# Allegro board Chronos.brd (continued)
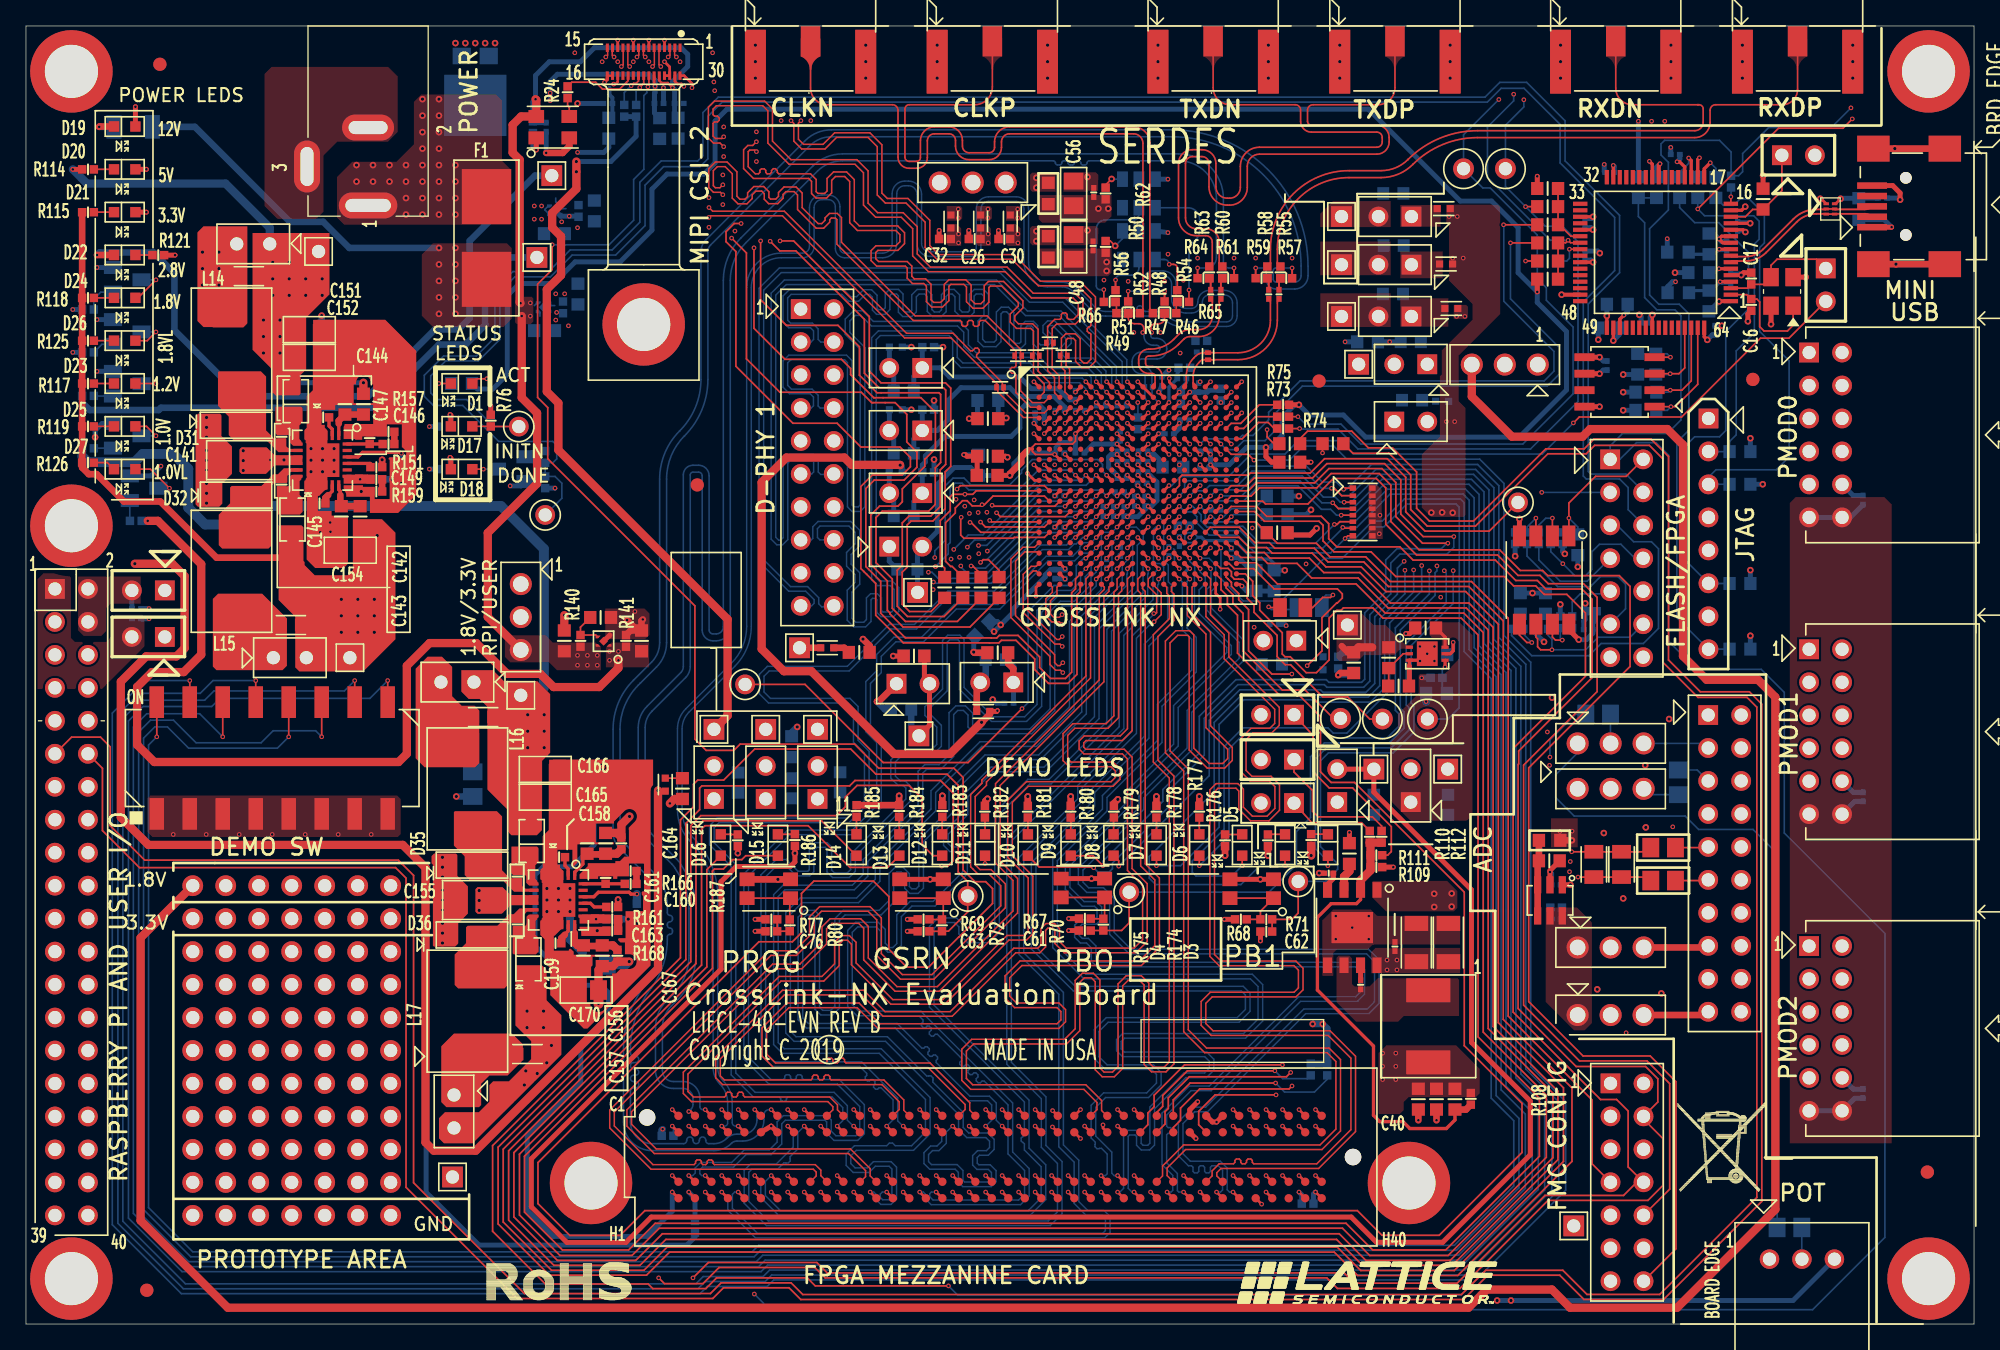
[diagram p0: board, top side]
## Copper pours and planes (outline as drawn; the poured copper is in the pictures) (continued)
VCCIO0 on BOTTOM: 124.64,87.88 124.64,88.93 124.51,89.05 124.51,91.11 125.37,91.97 126.67,91.97 126.67,92.99 126.59,93.07 123.37,93.07 123.04,92.74 123.04,88.11 123.27,87.88
VCCIO0 on L03_PWR: 105.48,71.37 106.7,70.16 106.7,64.6 115.9,55.39 115.9,42.29 116.6,41.59 140.34,41.59 142.88,39.04 148.55,39.04 149.11,39.6 149.11,95.9 145.9,99.11 50.72,99.11 50.72,99.11 44.02,99.11 43.9,99 34.44,99 34.01,98.57 34.01,76.81 30.07,72.87 30.07,62.87 31.08,61.87 41.08,61.87 41.65,62.43 41.65,64.36 41.61,64.4 41.61,76.49 41.27,76.82 38.06,76.82 36.25,78.63 36.25,93.95 37.52,95.22 37.65,95.22 38.62,96.2 43.17,96.2 43.87,96.9 51.84,96.9 54.08,94.67 118.72,94.67 121.59,91.8 134.19,91.8 135.13,90.86 135.13,64.14 133.83,62.84 133.83,57.43 132.97,56.57 126.03,56.57 125.25,57.35 123.22,57.35 123.16,57.3 121,57.3 115.14,63.16 114.03,63.16 111.8,65.39 111.8,69.98 109.09,72.7 109.09,76.64 107.85,77.88 100.72,77.88 97.01,74.17 97.01,71.92 97.55,71.37
VCCIO1 on BOTTOM: 105.71,43.38 105.71,42.21 105.99,41.94 107.26,41.94 108.92,40.28 110.19,40.28 110.46,40.56 110.46,43.59 105.92,43.59
VCCIO1 on L03_PWR: 116.15,88.87 116.66,88.37 116.66,88.19 116.69,88.16 116.69,79.07 115.06,77.44 115.06,71.75 117.27,69.54 123.66,69.54 125.11,70.99 133.22,70.99 134.21,70 134.21,64.41 133.25,63.45 133.25,57.76 132.89,57.4 122.2,57.4 115.9,63.7 114.02,63.7 112.17,65.56 112.17,70.48 109.86,72.8 109.86,75.64 111.43,77.21 111.43,77.94 109.99,79.37 109.99,88.18 110.69,88.87
VCCIO1 on L03_PWR: 90.78,67.16 90.78,65.38 91.36,64.8 97.99,64.8 99.03,63.75 103.71,63.75 108.36,59.11 108.36,46.53 105.77,43.94 105.77,42.16 104.58,40.98 76.84,40.98 74.53,38.67 66.64,38.67 66.09,39.23 66.09,40.56 65.33,41.31 59.57,41.31 58.23,39.97 58.23,36.94 66.51,28.67 94.16,28.67 102.55,37.06 102.92,37.06 103.71,37.85 107.87,37.85 110.44,40.41 112.55,40.41 115.06,42.93 115.06,55.32 106.23,64.16 106.23,67.21 105.64,67.8 91.42,67.8
VCCIO2 on TOP: 103.37,64.7 104.24,64.7 104.47,64.47 104.47,60.48 103.37,60.48
VCCIO2 on BOTTOM: 104.65,43.59 104.65,40.59 104.39,40.34 103.25,40.34 101.75,41.83 100.69,41.83 100.18,42.34 100.18,43.46 100.3,43.59
VCCIO2 on L03_PWR: 90.86,59.33 90.86,63.42 91.74,64.31 97.92,64.31 99.06,63.17 103.72,63.17 107.67,59.22 107.67,46.74 104.88,43.95 104.88,42.04 104.27,41.43 76.53,41.43 74.22,39.12 67.01,39.12 66.68,39.45 66.68,40.98 66.98,41.27 73.34,41.27 74.96,42.89 85.92,42.89 87.86,44.83 100.99,44.83 102.11,45.95 102.11,47.57 105.26,50.72 105.26,55.04 101.55,58.75 91.44,58.75
VCCIO2 on L04_SIG: 125.39,21.53 125.7,21.21 125.7,18.47 124.82,17.58 115.99,17.58 109.01,24.56 101.75,24.56 99.72,22.53 98.59,22.53 98.08,23.04 98.08,24.6 99.7,26.22 99.7,43.69 104.8,43.69 104.8,32.6 104.82,32.59 104.82,31.03 107.94,27.92 110.94,27.92 117.33,21.53
VCCIO2 on L04_SIG: 54.43,37.07 56.28,38.91 62.18,38.91 62.42,39.15 62.42,40.91 62.66,41.15 74.01,41.15 74.35,40.81 74.35,39.57 74.04,39.27 67.89,39.27 62.2,33.58 54.77,33.58 54.43,33.91
VCCIO3 on BOTTOM: 87.81,60.12 89.13,60.12 89.41,59.84 89.41,57.86 89.26,57.71 88.42,57.71 88.21,57.91 88.21,58.52 88.37,58.67 88.37,59.39 88.16,59.59 87.88,59.59 87.81,59.66
VCCIO3 on BOTTOM: 60.12,46.98 60.12,42.37 60.46,42.03 63.3,42.03 63.3,43.38 62,44.68 62,46.98
VCCIO3 on L03_PWR: 81.2,45.44 85.47,49.71 100.58,49.71 102.9,52.02 102.9,54.76 102.62,55.04 95.58,55.04 94.82,55.8 94.82,58.04 95.17,58.39 101.4,58.39 104.85,54.94 104.85,51.31 99.24,45.69 87.66,45.69 85.24,43.28 74.73,43.28 73.16,41.71 60.43,41.71 60.02,42.11 60.02,46.63 65.21,46.63 67.52,44.31 70.65,44.31 71.78,45.44
VCCIO4 on BOTTOM: 56.03,46.98 56.03,41.55 59.51,41.55 59.51,44.22 58.14,44.22 58.14,46.98
VCCIO4 on L03_PWR: 82.27,60.3 84.33,60.3 84.58,60.05 84.58,56.06 80.39,51.87 76.2,51.87 71.32,46.99 60.11,46.99 59.62,46.5 59.62,45.99 59.61,45.97 59.61,42.6 59.18,42.16 53.8,42.16 53.8,44.91 57.15,48.26 63.75,48.26 67.7,52.21 71.23,52.21 74.68,55.65 77.88,55.65 77.9,55.68 79.86,55.68 81.94,57.76 81.94,59.97
VCCIO5 on BOTTOM: 51.84,46.98 51.84,42.62 52.43,42.03 55.37,42.03 55.37,46.98
VCCIO6 on L03_PWR: 79.58,64.11 76.07,64.11 75.62,63.65 75.62,59.61 75.87,59.36 79.2,59.36 79.76,59.92 79.76,63.93
VCCIO7 on TOP: 143.66,13.92 143.66,63.13 143.09,63.7 136.26,63.7 135.81,63.26 135.81,13.92
(no net) on TOP: 16.73,76.78 14.39,76.78 14.37,76.8 13.67,76.8 13.21,77.27 13.21,84.1 13.67,84.56 17.04,84.56 17.04,77.09
(no net) on TOP: 39.45,33.05 37.3,33.05 36.7,33.65 34.76,33.65 34.61,33.5 34.61,31.77 34.77,31.61 36.64,31.61 37.3,32.27 39.44,32.27 39.45,32.28
(no net) on TOP: 39.44,31.55 38.61,31.55 38.53,31.48 38.53,30.76 38.44,30.68 37.52,30.68 37.48,30.64 37.48,28.56 37.56,28.48 39.26,28.48 39.46,28.68 39.46,29.76 39.23,29.99 39.23,31.05 39.46,31.28 39.46,31.53
(no net) on TOP: 34.9,43.21 34.59,42.9 30.69,42.9 30.01,43.58 30.01,50.49 30.93,51.41 32.03,51.41 32.82,50.62 32.82,48.36 33.55,47.62 34.54,47.62 34.9,47.27
(no net) on TOP: 18.97,71.79 19.21,71.54 21.02,71.54 21.14,71.66 21.14,73.11 21.57,73.54 21.57,77.53 23.37,79.32 23.37,84.05 17.45,84.05 17.45,75.06 18.97,73.54
(no net) on TOP: 39.79,33.92 39.79,31.31 39.61,31.13 39.61,29.97 39.94,29.64 39.94,27.86 40.37,27.42 40.37,25.34 42.94,22.77 44.45,22.77 48.29,26.6 48.29,43.48 40.59,43.48 40.26,43.15 40.26,38.05 39.79,37.58 39.79,35.16 39.62,34.99 39.62,34.09 ; 1 cut-out
(no net) on TOP: 21.27,65.44 20.44,65.44 20.36,65.36 20.36,64.65 20.28,64.56 19.35,64.56 19.31,64.52 19.31,62.44 19.39,62.36 21.09,62.36 21.29,62.57 21.29,63.64 21.06,63.87 21.06,64.93 21.29,65.16 21.29,65.41
(no net) on TOP: 37.69,27.64 37.69,23 38.91,21.79 38.91,20.42 37.19,18.69 35.97,18.69 35.69,18.41 35.69,17.14 34.87,16.32 32.26,16.32 31.8,15.86 31.8,14.31 32.2,13.91 34.48,13.91 41.22,20.65 41.22,23.8 40.08,24.94 40.08,27.28 39.72,27.64
(no net) on TOP: 21.28,65.93 19.86,65.93 19.39,65.45 19.02,65.45 18.13,64.56 15.84,64.56 15.72,64.44 15.72,63.22 14.85,62.35 14.85,60.01 15.11,59.74 18.67,59.74 18.89,59.96 18.89,64.58 19.1,64.8 20.07,64.8 20.12,64.85 20.12,65.37 20.42,65.67 21.29,65.67 21.29,65.92
(no net) on TOP: 37.38,36.78 39.35,36.78 39.46,36.67 39.46,35.59 39.22,35.35 39.22,34.29 39.46,34.04 39.46,33.78 39.45,33.77 38.74,33.77 38.52,33.99 38.52,34.5 38.42,34.6 37.5,34.6 37.38,34.72
(no net) on TOP: 24.38,65.45 24.38,64.74 26.85,64.74 26.85,65.45
(no net) on TOP: 15.86,65.5 15.11,64.76 15.11,63.2 14.88,62.97 13.24,62.97 13.06,63.14 13.06,69.93 13.26,70.13 14.93,70.13 15.04,70.02 15.04,68.42 15.86,67.6
(no net) on TOP: 21.62,67.81 21.62,65.19 21.44,65.01 21.44,63.85 21.62,63.68 21.62,58.9 22.27,58.24 24.46,58.24 24.79,58.57 24.79,62.2 25.07,62.48 28.65,62.48 30.05,63.88 30.05,74.98 27.66,77.36 22.42,77.36 22.09,77.03 22.09,71.93 21.62,71.46 21.62,69.04 21.45,68.87 21.45,67.98
(no net) on TOP: 34.03,31.62 33.28,30.87 33.28,29.31 33.05,29.08 31.4,29.08 31.23,29.26 31.23,36.05 31.42,36.24 33.1,36.24 33.21,36.14 33.21,34.53 34.03,33.72
(no net) on TOP: 19.21,70.66 21.18,70.66 21.29,70.55 21.29,69.48 21.05,69.23 21.05,68.17 21.29,67.92 21.29,67.67 21.28,67.66 20.57,67.66 20.36,67.88 20.36,68.39 20.26,68.48 19.34,68.48 19.21,68.61
(no net) on TOP: 37.14,39.57 37.14,37.9 37.38,37.66 39.33,37.66 39.73,38.05 39.73,39.65 39.74,39.66 39.74,43.39 40.34,43.99 40.36,43.99 40.36,49.1 39.09,50.37 33.53,50.37 33.53,48.72 34.09,48.16 34.92,48.16 35.53,47.55 35.53,41.17
(no net) on TOP: 42.55,31.57 42.55,30.86 45.02,30.86 45.02,31.57
(no net) on TOP: 21.29,66.93 19.13,66.93 18.53,67.53 16.6,67.53 16.44,67.38 16.44,65.66 16.6,65.5 18.48,65.5 19.13,66.15 21.28,66.15 21.29,66.16
(no net) on TOP: 14.79,56.26 18.19,56.26 20.09,54.36 20.09,50.71 19.75,50.37 14.67,50.37 14.39,50.65 14.39,55.86
(no net) on TOP: 39.46,33.29 37.6,33.29 36.75,34.14 34.23,34.14 33.78,34.59 33.78,36.02 32.95,36.86 32.95,39.44 33.02,39.51 36.26,39.51 36.66,39.11 36.66,34.95 37.27,34.33 38.18,34.33 38.21,34.31 38.21,33.74 38.4,33.55 38.75,33.55 38.75,33.55 39.45,33.55 39.46,33.54
(no net) on TOP: 32.96,22.38 37.43,22.38 38.26,21.54 38.26,20.33 37.08,19.15 35.69,19.15 35.05,18.51 35.05,16.88 34.88,16.71 32.37,16.71 31.98,17.1 31.98,21.4
(no net) on TOP: 19.46,61.52 19.46,55.78 20.74,54.49 20.74,50.58 21.05,50.28 25.97,50.28 28.45,52.76 28.45,60.96 27.41,62 25.17,62 25.17,58.09 24.77,57.68 22.23,57.68 21.45,58.46 21.45,61.29 21.21,61.52
(no net) on TOP: 21.29,67.17 19.44,67.17 18.58,68.03 16.06,68.03 15.62,68.47 15.62,69.91 14.78,70.74 14.78,73.32 14.85,73.39 18.09,73.39 18.49,72.99 18.49,68.83 19.11,68.22 20.02,68.22 20.04,68.19 20.04,67.62 20.23,67.43 20.58,67.43 20.58,67.43 21.28,67.43 21.29,67.42
(no net) on TOP: 39.45,32.04 38.03,32.04 37.55,31.57 37.19,31.57 36.3,30.68 34.01,30.68 33.89,30.56 33.89,29.34 33.01,28.46 33.01,26.12 33.28,25.86 36.84,25.86 37.05,26.07 37.05,30.7 37.27,30.91 38.23,30.91 38.29,30.97 38.29,31.48 38.59,31.78 39.46,31.78 39.46,32.03
FMC_VREF on BOTTOM: 44.62,42.99 44.62,42.8 43.93,42.11 43.93,41.78 43.89,41.73 43.62,41.73 43.55,41.8 43.55,42.36 44.31,43.11 44.5,43.11
RASP_5V on TOP: 4.01,57.58 4.01,53.44 4.45,53.01 5.79,53.01 6.17,53.39 6.17,55.14 6.53,55.5 8.84,55.5 8.84,57.58
REF_RETURN_PLL on BOTTOM: 89.3,73.99 89.3,73.22 89.12,73.03 89.12,72.36 89.1,72.34 88.78,72.34 88.47,72.03 88.47,71.47 89.25,71.47 89.25,71.99 89.45,72.19 89.79,72.19 89.87,72.26 89.87,72.77 90.07,72.97 90.93,72.97 91.57,73.61 91.57,76.04 91.51,76.1 90.64,76.1 90.64,74.31 90.5,74.18 89.5,74.18
REFCLKN_SMA on TOP (solid shape): 61.16,97.65 60.68,97.27 60.47,96.69 60.47,96.64 60.35,96.64 60.35,96.69 60.15,97.27 59.66,97.65 59.66,99.06 61.16,99.06
REFCLKP_SMA on TOP: 73.66,99.06 73.66,97.65 74.16,97.25 74.35,96.64 74.35,96.64 74.47,96.64 74.66,97.25 75.16,97.65 75.16,99.06
RXDN_SMA on TOP: 121.66,99.01 121.66,97.65 122.16,97.25 122.35,96.64 122.35,96.64 122.47,96.64 122.66,97.25 123.16,97.65 123.16,99.01
RXDP_SMA on TOP: 135.66,99 135.66,97.65 136.16,97.25 136.35,96.64 136.35,96.64 136.47,96.64 136.66,97.25 137.16,97.65 137.16,99
TXDN_SMA on TOP: 90.66,99.06 90.66,97.65 91.16,97.25 91.35,96.64 91.35,96.64 91.47,96.64 91.66,97.25 92.16,97.65 92.16,99.06
TXDP_SMA on TOP: 104.66,99.02 104.66,97.65 105.16,97.25 105.35,96.64 105.35,96.64 105.47,96.64 105.66,97.25 106.16,97.65 106.16,99.02
VADJ on TOP: 106.46,17.48 111.63,17.48 111.94,17.79 111.94,19.65 110.12,21.47 104.75,21.47 104.16,20.88 104.14,20.88 104.11,20.85 104.11,16.18 105.79,16.18 106.09,16.48 106.09,17.11
VADJ on L04_SIG: 97.02,15.99 96.35,15.32 96.35,7.41 98.2,5.56 110.85,5.56 110.88,5.59 119.53,5.59 120.17,6.24 120.17,8.43 107.57,21.03 104.34,21.03 103.52,20.21 103.52,18.66 100.85,15.99
N06990 on TOP: 0.89,48.92 0.89,57.38 1.35,57.84 3.12,57.84 3.45,57.51 3.45,52.86 3.76,52.55 6.17,52.55 6.68,53.06 6.68,54.44 6.88,54.64 8.96,54.64 9.12,54.48 9.12,52.21 8.84,51.92 8.84,51.91 5.85,48.92
N06990 on BOTTOM: 0.89,57.48 7.23,57.48 7.23,55 7.61,54.62 8.3,54.62 8.38,54.54 8.38,53.81 9.12,53.07 9.12,50.19 6.25,47.32 6.25,35.18 5.94,34.87 1.4,34.87 0.89,35.38
N16616563 on TOP: 77.98,86.97 83.59,86.97 83.59,85.34 83.08,84.84 78.26,84.84 77.98,85.12
N16616563 on BOTTOM: 84.89,86.61 84.89,85.39 82.4,85.39 82.27,85.52 82.27,86.41 82.47,86.61
N17070358 on TOP: 105.82,82.63 105.82,80.57 109.09,80.57 109.09,82.63
N17070358 on BOTTOM: 105.59,83.59 105.59,80.82 108.18,80.82 108.18,83.59
N17070375 on TOP: 99.67,83.39 99.67,80.8 105.08,80.8 105.08,83.39
N17070375 on BOTTOM: 100.28,83.59 100.28,80.8 105.18,80.8 105.18,83.59
N17070375 on L03_PWR: 101.09,79.02 104.19,79.02 105.08,79.91 105.08,82.94 104.71,83.32 95.66,83.32 94.18,81.84 94.18,78.85 90.07,74.74 90.07,71.7 89.84,71.48 87.73,71.48 87.55,71.3 87.55,69.88 87.76,69.67 91.08,69.67 91.1,69.68 91.76,69.68 93.33,71.26 95.93,71.26 96.76,72.09 96.76,74.69
N17075797 on TOP: 25.12,89.53 28.52,89.53 29.87,90.88 29.87,94.16 30.43,94.72 36.2,94.72 36.65,94.26 36.65,89.61 37.31,88.95 37.31,84.68 24.51,84.68 23.95,85.24 23.95,88.37
N17075797 on BOTTOM: 25.12,89.53 28.5,89.53 29.87,90.91 29.87,95.4 30.76,96.29 37.24,96.29 38,95.53 38,89.81 32.87,84.68 24.49,84.68 23.95,85.22 23.95,88.37
N17075854 on TOP (solid shape): 17.04,77.09 16.73,76.78 14.39,76.78 14.37,76.8 13.67,76.8 13.21,77.27 13.21,84.1 13.67,84.56 17.04,84.56
N17075854 on BOTTOM: 16.75,76.78 14.4,76.78 14.38,76.8 13.69,76.8 13.22,77.27 13.22,84.1 13.68,84.56 17.06,84.56 17.06,77.09
N17075866 on TOP (solid shape): 25.95,65.44 26.85,65.44 26.85,64.74 24.46,64.74 24.46,65.25 24.38,65.25 24.38,65.42 25.34,65.42 25.34,65.45 25.95,65.45
N17075896 on TOP (solid shape): 20.09,54.36 20.09,50.71 19.75,50.37 14.67,50.37 14.39,50.65 14.39,55.86 14.79,56.26 18.19,56.26
N17075942 on TOP (solid shape): 20.33,65.92 21.29,65.92 21.29,65.92 21.29,65.68 20.33,65.68 20.33,65.58 20.12,65.37 20.12,64.85 20.07,64.8 19.1,64.8 18.89,64.58 18.89,59.96 18.67,59.74 15.11,59.74 14.85,60.01 14.85,62.35 15.72,63.22 15.72,64.44 15.84,64.56 18.13,64.56 19.02,65.45 19.39,65.45 19.86,65.93 20.33,65.93
N17076167 on TOP (solid shape): 21.29,65.41 21.29,65.25 21.21,65.25 21.21,65.08 21.06,64.93 21.06,63.87 21.29,63.64 21.29,62.57 21.09,62.36 19.39,62.36 19.31,62.44 19.31,64.52 19.33,64.54 20.26,64.54 20.26,64.55 20.36,64.65 20.36,65.33 20.45,65.42 21.29,65.42
N17076208 on TOP (solid shape): 18.49,72.99 18.49,68.83 19.11,68.22 20.02,68.22 20.04,68.19 20.04,67.62 20.23,67.43 20.33,67.43 20.33,67.42 21.29,67.42 21.29,67.18 20.33,67.18 20.33,67.17 19.44,67.17 18.58,68.03 16.06,68.03 15.62,68.47 15.62,69.91 14.78,70.74 14.78,73.32 14.85,73.39 18.09,73.39
N17076283 on TOP (solid shape): 21.29,70.55 21.29,69.48 21.05,69.23 21.05,68.17 21.21,68.01 21.21,67.84 21.29,67.84 21.29,67.68 20.55,67.68 20.36,67.88 20.36,68.39 20.26,68.48 20.26,68.48 19.34,68.48 19.21,68.61 19.21,70.66 21.18,70.66
N17078978 on TOP (solid shape): 32.82,50.62 32.82,48.36 33.55,47.62 34.54,47.62 34.9,47.27 34.9,43.21 34.59,42.9 30.69,42.9 30.01,43.58 30.01,50.49 30.93,51.41 32.03,51.41
N17078984 on TOP (solid shape): 39.46,31.79 38.5,31.79 38.5,31.69 38.29,31.48 38.29,30.97 38.24,30.91 37.27,30.91 37.05,30.7 37.05,26.07 36.84,25.86 33.28,25.86 33.01,26.12 33.01,28.46 33.89,29.34 33.89,30.56 34.01,30.68 36.3,30.68 37.19,31.57 37.55,31.57 38,32.01 39.46,32.01
N17079015 on TOP (solid shape): 39.46,31.37 39.37,31.37 39.37,31.19 39.23,31.05 39.23,29.99 39.46,29.76 39.46,28.68 39.26,28.48 37.56,28.48 37.48,28.56 37.48,30.64 37.5,30.66 38.43,30.66 38.43,30.66 38.53,30.76 38.53,30.85 38.54,30.86 38.54,31.38 38.69,31.53 39.46,31.53
N17079096 on TOP (solid shape): 39.46,36.67 39.46,35.59 39.22,35.35 39.22,34.29 39.37,34.13 39.37,33.96 39.46,33.96 39.46,33.8 38.86,33.8 38.85,33.8 38.71,33.8 38.52,33.99 38.52,34.5 38.43,34.59 38.42,34.6 37.5,34.6 37.38,34.72 37.38,36.78 39.35,36.78
N17079109 on TOP (solid shape): 36.66,39.11 36.66,34.95 37.27,34.33 38.18,34.33 38.21,34.31 38.21,33.74 38.4,33.55 38.5,33.55 38.5,33.54 39.46,33.54 39.46,33.3 37.59,33.3 36.75,34.14 34.23,34.14 33.78,34.59 33.78,36.02 32.95,36.86 32.95,39.44 33.02,39.51 36.26,39.51
N17079126 on TOP (solid shape): 44.11,31.55 45.01,31.55 45.01,30.88 44.11,30.88 44.11,30.86 42.63,30.86 42.63,31.37 42.55,31.37 42.55,31.54 43.51,31.54 43.51,31.57 44.11,31.57
N17079480 on TOP (solid shape): 38.26,21.54 38.26,20.33 37.08,19.15 35.69,19.15 35.05,18.51 35.05,16.88 34.88,16.71 32.37,16.71 31.98,17.1 31.98,21.4 32.96,22.38 37.43,22.38
N17103877 on BOTTOM: 106.96,76.23 106.96,73.36 107.16,73.15 114.43,73.15 114.83,73.56 114.83,75.74 114.35,76.23
N17109649 on TOP: 73.18,84.73 73.96,84.73 74.3,84.4 74.3,83.06 73.33,83.06 73.18,83.21
N17109649 on L03_PWR: 79.46,73.81 78.3,74.97 78.12,74.97 74.73,78.36 74.73,84.2 72.85,84.2 72.85,77.35 76.76,73.43 78.23,73.43 79.02,72.64 80.14,72.64 81.48,71.3 81.48,70.51 82.91,70.51 82.91,73.41 82.5,73.81
N17109693 on TOP: 75.46,84.73 76.25,84.73 76.58,84.4 76.58,83.06 75.62,83.06 75.46,83.21
N17109693 on L03_PWR: 76.58,84.21 75.16,84.21 75.16,78.47 78.28,75.35 78.46,75.35 79.59,74.22 83.03,74.22 83.46,73.79 83.46,70.54 85.04,70.54 85.04,76.41 86.1,77.47 86.1,79.67 85.07,80.7 83.31,80.7 82.43,79.82 77.76,79.82 76.58,81
N17109747 on TOP: 70.89,84.73 71.68,84.73 72.01,84.4 72.01,83.06 71.04,83.06 70.89,83.21
N17109747 on L03_PWR: 81.31,71.22 81.31,69.9 81.1,69.7 78.33,69.7 77.34,70.69 72.75,70.69 70.66,72.78 70.66,84.18 72.42,84.18 72.42,77.22 76.5,73.13 78.18,73.13 78.97,72.34 80.19,72.34
N17419156 on BOTTOM: 106.81,71.81 106.81,68.61 108.84,68.61 108.84,71.81
N17419161 on BOTTOM: 106.45,71.81 106.45,68.61 103.86,68.61 103.86,71.81
N17419161 on L03_PWR: 86.2,67.46 86.2,66.78 87.05,65.94 89.63,65.94 90.17,66.48 90.17,67.73 90.6,68.15 100.33,68.15 100.86,67.61 105.11,67.61 106.2,68.71 106.2,70.11 105.39,70.93 93.48,70.93 91.61,69.06 88.58,69.06 86.99,67.46
N17431307 on TOP: 99.67,85.54 99.67,84.51 105.08,84.51 105.08,86.51 100.64,86.51
N17431307 on BOTTOM: 88.82,76.42 88.65,76.25 88.65,74.65 88.75,74.55 90.32,74.55 90.37,74.59 90.37,76.28 90.23,76.42
N17431307 on BOTTOM: 102.95,87.99 102.95,84.51 105.18,84.51 105.18,87.99
N17431307 on L03_PWR: 85.45,71.3 86.92,71.3 87.38,71.77 89.15,71.77 89.58,72.19 89.58,74.9 93.77,79.09 93.77,82.63 94.93,83.79 104.62,83.79 105.33,84.51 105.33,86.46 104.8,87 86.79,87 85.24,85.45 85.24,80.87 86.43,79.69 86.43,77.12 85.45,76.14
N17431309 on TOP: 105.82,86.21 105.82,84.53 108.94,84.53 108.94,86.21
N17431309 on BOTTOM: 105.59,87.88 105.59,84.53 108.18,84.53 108.18,87.88
N17433122 on TOP: 99.67,79.4 99.67,76.81 105.08,76.81 105.08,79.4
N17433122 on BOTTOM: 91.54,71.73 92.48,71.73 92.48,71.88 93.19,72.6 93.19,73.33 96.57,76.71 104.95,76.71 104.95,80.09 104.93,80.11 103.3,80.11 101.93,78.74 95.12,78.74 91.54,75.16
N17433124 on TOP: 105.82,79.02 105.82,76.83 109.52,76.83 109.52,79.02
N17433124 on BOTTOM: 105.59,79.91 105.59,76.71 108.18,76.71 108.18,79.91
N17443432 on BOTTOM: 96.22,53.47 96.22,50.29 99.36,50.29 99.54,50.11 100.2,50.11 100.2,50.77 99.09,50.77 98.65,51.21 98.65,53.47
N17501322 on TOP: 77.98,82.85 83.59,82.85 83.59,81 83.31,80.72 78.21,80.72 77.98,80.95
N17501322 on BOTTOM: 84.89,82.62 84.89,81.2 84.86,81.18 83.77,81.18 83.41,80.82 82.96,80.82 82.89,80.9 82.89,82.44 83.07,82.62
N17538930 on TOP: 106.1,23.73 110.35,23.73 110.35,26.52 110.22,26.64 104.09,26.64 103.45,26.01 102.29,26.01 102.11,26.19 102.11,28.17 101.9,28.37 101.07,28.37 100.91,28.22 100.91,24.1 101.73,23.29 105.66,23.29

Small or netless copper shapes (teardrops, artwork), in the pictures only: 4 on TOP

## Text on the board
BOTTOM: 6 | L06_BOTTOM
Ref Des/Assembly Bottom: BOTTOM-ASSEMBLY
Package Geometry/Pastemask Bottom: BOTTOM-PASTE
Ref Des/Silkscreen Bottom: A | BOTTOM-SILK
User.Comments: CR_PLACE-7_5 | CR_PLACE-1_3 | CR_PLACE-1_2 | CR_UNNAMED_13 | CR_UNNAMED_1 | CR_UNNAMED_12 | CR_SW1_3 | CR_SW1_1 | CR_SW1_4 | CR_PLACE-7_7 | CR_PLACE-7_6 | BOTTOM-MASK | TOP-MASK
TOP: 1 | L01_TOP
Ref Des/Assembly Top: TOP-ASSEMBLY
Package Geometry/Pastemask Top: TOP-PASTE
Ref Des/Silkscreen Top: 1.2V | 1.8V | 1.0VL | 12V | 3.3V | 2.8V | 5V | 1 | 11 | 1.0V | 1.8VL | Copyright C 2019 | LIFCL-40-EVN REV B | MADE IN USA | POWER LEDS | GND | STATUS | LEDS | INITN | ACT | DONE | 1.8V/3.3V | RPI/USER | TOP-SILK | PROTOTYPE AREA | DEMO SW | FPGA MEZZANINE CARD | DEMO LEDS | CROSSLINK NX | POT | MINI | USB | RASPBERRY PI AND USER I/O | POWER | MIPI CSI-2 | D-PHY 1 | ADC | FMC CONFIG | FLASH/FPGA | JTAG | PMOD0 | PMOD2 | PMOD1 | CLKN | CLKP | TXDN | TXDP | RXDN | RXDP | CrossLink-NX Evaluation Board | PROG | GSRN | PBO | PB1 | SERDES
L02_GND: 2 | L02_GND
L03_PWR: 3 | L03_PWR
L04_SIG: 4 | L04_SIG
L05_GND: 5 | L05_GND
PAGE_OUTLINE: IN [MM] | DIMENSION STYLE | TOLERANCES UNLESS | OTHERWISE SPECIFIED | 0.2 | 0.10 | 0.050 | 5 | DRAWN | CHECKED | DATE | TITLE | DRAWING NO. | REV. | SHEET | CrossLink-NX Evaluation Board | X.X: | X.XX: | X.XXX: | ANGLES: | NOV 2019 | WWW.LATTICESEMI.COM | REV | A | B | INTIAL RELEASE | DESCRIPTION | REVISIONS | OCT 2019 | APPROVED | C | D | E | F | G | H | 1 | 2 | 3 | 4 | 6 | 7 | 8 | 9 | 10 | 11 | 12 | A2
DISPLAY_BOTTOM: STEEL-BALL_A00 PASTEMASK BOTTOM
DISPLAY_TOP: STEEL-BALL_A00 PASTEMASK TOP
COMPVAL_TYPE_TOP: REFER NOTE 23 | 10.  THIS IS A ROHS COMPLIANT BOARD | 14.  TEARDROPS SHOULD NOT BE ADDED ON ANY AREA WITHOUT PRIOR APPROVAL FROM PACTRON. | 11.  BOARD MUST BE UL 94V-1 APPROVED. | 12.  FABRICATE BOARD PER IPC-A-600D STANDARD. | 13.  CLIP SILKSCREEN ON NO MASK AREA. | 17.  REMOVE UNUSED PADS IN ALL INNER LAYERS. | 24.  ALL HOLE SIZES MENTIONED IN DRILL CHART SHOULD BE CONSIDERED AS FINISHED HOLE SIZE. | 23.  ALL THESE DRILLS  NEED TO BE NON CONDUCTIVE VIA PLUGGING FROM BOTTOM SIDE. | 18.  BOARD DIMENSIONS ARE IN INCHES[MM]. | 15.  NO VENDOR LOGO, ART WORKS SHOULD NOT BE | 19.  PROVIDE SOFT COPY OF TDR REPORT FOR OUTER LAYERS. | 16.  DEBURR ALL SHARP EDGES | 20.  ALL THE TRACE WIDTH MENTIONED IN IMPEDANCE TABLE ARE FINISHED TRACE WIDTH | 22.  IF REQUIRED CAN IGNORE THE TRACES THAT ARE <0.5 INCH FOR TDR MEASUREMENT. BUT SETUP | 21.  NICKEL CONTENT ON OUTER LAYERS SHOULD BE VERY MINIMAL POSSIBLE | 2.  GENERAL PLATING - ENIG | 4.  THROUGH HOLES PLATING THICKNESS SHOULD BE CONTROLLED BETWEEN 1.0 TO 1.5 MILS PER SIDE. | 5.  SILKSCREEN BOTH SIDES WITH NON-CONDUCTIVE WHITE INK | 7.  SOLDER MASK TOP AND BOTTOM SIDES WITH | NOTES: UNLESS OTHERWISE SPECIFIED | 6.  FABRICATE PER DIMENSIONS SHOWN. | 3.  ALL HOLES ARE PLATED THRU UNLESS OTHERWISE SPECIFIED | 1.  MATERIAL: FR-4 | 8.  TOTAL BOARD THICKNESS:  62 mil+/- 6 mil | 6 LAYER CONSTRUCTION. | SOLDER MASK.  COLOR BLACK. | LIQUID PHOTO IMAGABLE OR DRY FILM | 9.  WARP & TWIST: SHALL NOT EXCEED 0.005 INCHES PER INCH | MINIMUM PLATING FOR ALL THRU HOLE SHOULD BE O.OO1" Cu | THERE SHOULD NOT BE ANY DEVIATIONS IN TRACE WIDTH AFTER MANUFACTURING | CHANGED WITHOUT PRIOR APPROVAL FROM PACTRON | TRY TO ACHIEVE THICKNESS IN OUTER LAYER METAL WITH MORE COPPER INSTEAD OF MORE NICKEL | NEED TO BE DONE TO MEET IMPEDANCE REQUIREMENT | REFER STACKUP
COMPVAL_TYPE_BOTTOM: APPROVED | DATE | REVISIONS | DESCRIPTION | REV | A | B | C | D | E | F | G | H | 12 | A2 | 11 | 10 | 9 | 8 | 7 | 6 | 5 | 4 | 3 | 2 | 1
User.11: TESTPIN NUMBER | SECONDARY-SIDE | 2 OF 2
User.12: DRILL LEGEND | 1 OF 2
User.13: TESTPIN NUMBER | PRIMARY-SIDE | 1 OF 2
User.14: REFDES CENTER | PRIMARY-SIDE | 1 OF 2
User.15: PANEL DRAWING | 2 OF 2
User.16: ASSEMBLY | PRIMARY-SIDE | 1 OF 2
User.17: REFDES CENTER | SECONDARY-SIDE | 2 OF 2
User.18: FAB | FAB DRAWING | 1 OF 1
User.34: FIGURE | SIZE | 8.0 | 10.0 | 40.0 | 47.24 | 35.433 | 50.0 | 161.0 | 118.11x39.37 | 137.799x39.37 | DRILL CHART: TOP to BOTTOM | ALL UNITS ARE IN MILS | TOLERANCE | +3.0/-3.0 | +2.0/-0.0 | +2.0/-2.0 | PLATED | NON-PLATED | QTY | 790 | 312 | 320 | 21 | 2 | 8 | 1
User.35: 408-329-5500(Phone) | 408-747-1239 (fax) | 3000 Patrick Henry Dr, | Santa Clara Ca 95054, | NAME : CrossLink-NX Evaluation Board | DATE : NOV-2019 | LAYER : | JOB : 305-PD-19-0943 | SHEET | REV.B
User.36: STACKUP: 6 LAYERS | TOTAL THICKNESS: 61.532 mils +/-10% | DIELECTRIC (3.204 mils) | DIELECTRIC (3.940 mils) | DIELECTRIC (38.844 mils) | TOP (0.5 Oz + Plating) | L02_GND (1 Oz) | L03_PWR (1 Oz) | L04_SIG (1 Oz) | L05_GND (1 Oz) | BOTTOM (0.5 Oz + Plating) | L04_SIG | TOP | BOTTOM | FR-4 | LAYERS | 50 ohm (MIL) | 5.0 | 10% TOL | -- | 10% TOL (MIL) | 100 OHM DIFF (LC) | 4/10/4 | 4.8/16.2/4.8 | IMPEDANCE TABLE: | 100 OHM DIFF (TC) | 10% TOL(MIL) | 4.4/9.6/4.4 | 5.3/8.2/5.3 | 90 OHM DIFF
